# Altium PCB LPCXpresso55SXX.PcbDoc (part 1 of 4)
Units mm, origin at the board's own origin, x right, y up, seen from the top; angles counter-clockwise.
Board outline 97.07 x 97.84 mm, 4 copper layers (Top Layer, GND Plane, Power Plane, Bottom Layer), stack 1.58 mm thick; 336 components, 250 nets, 1211 pads, 766 vias.
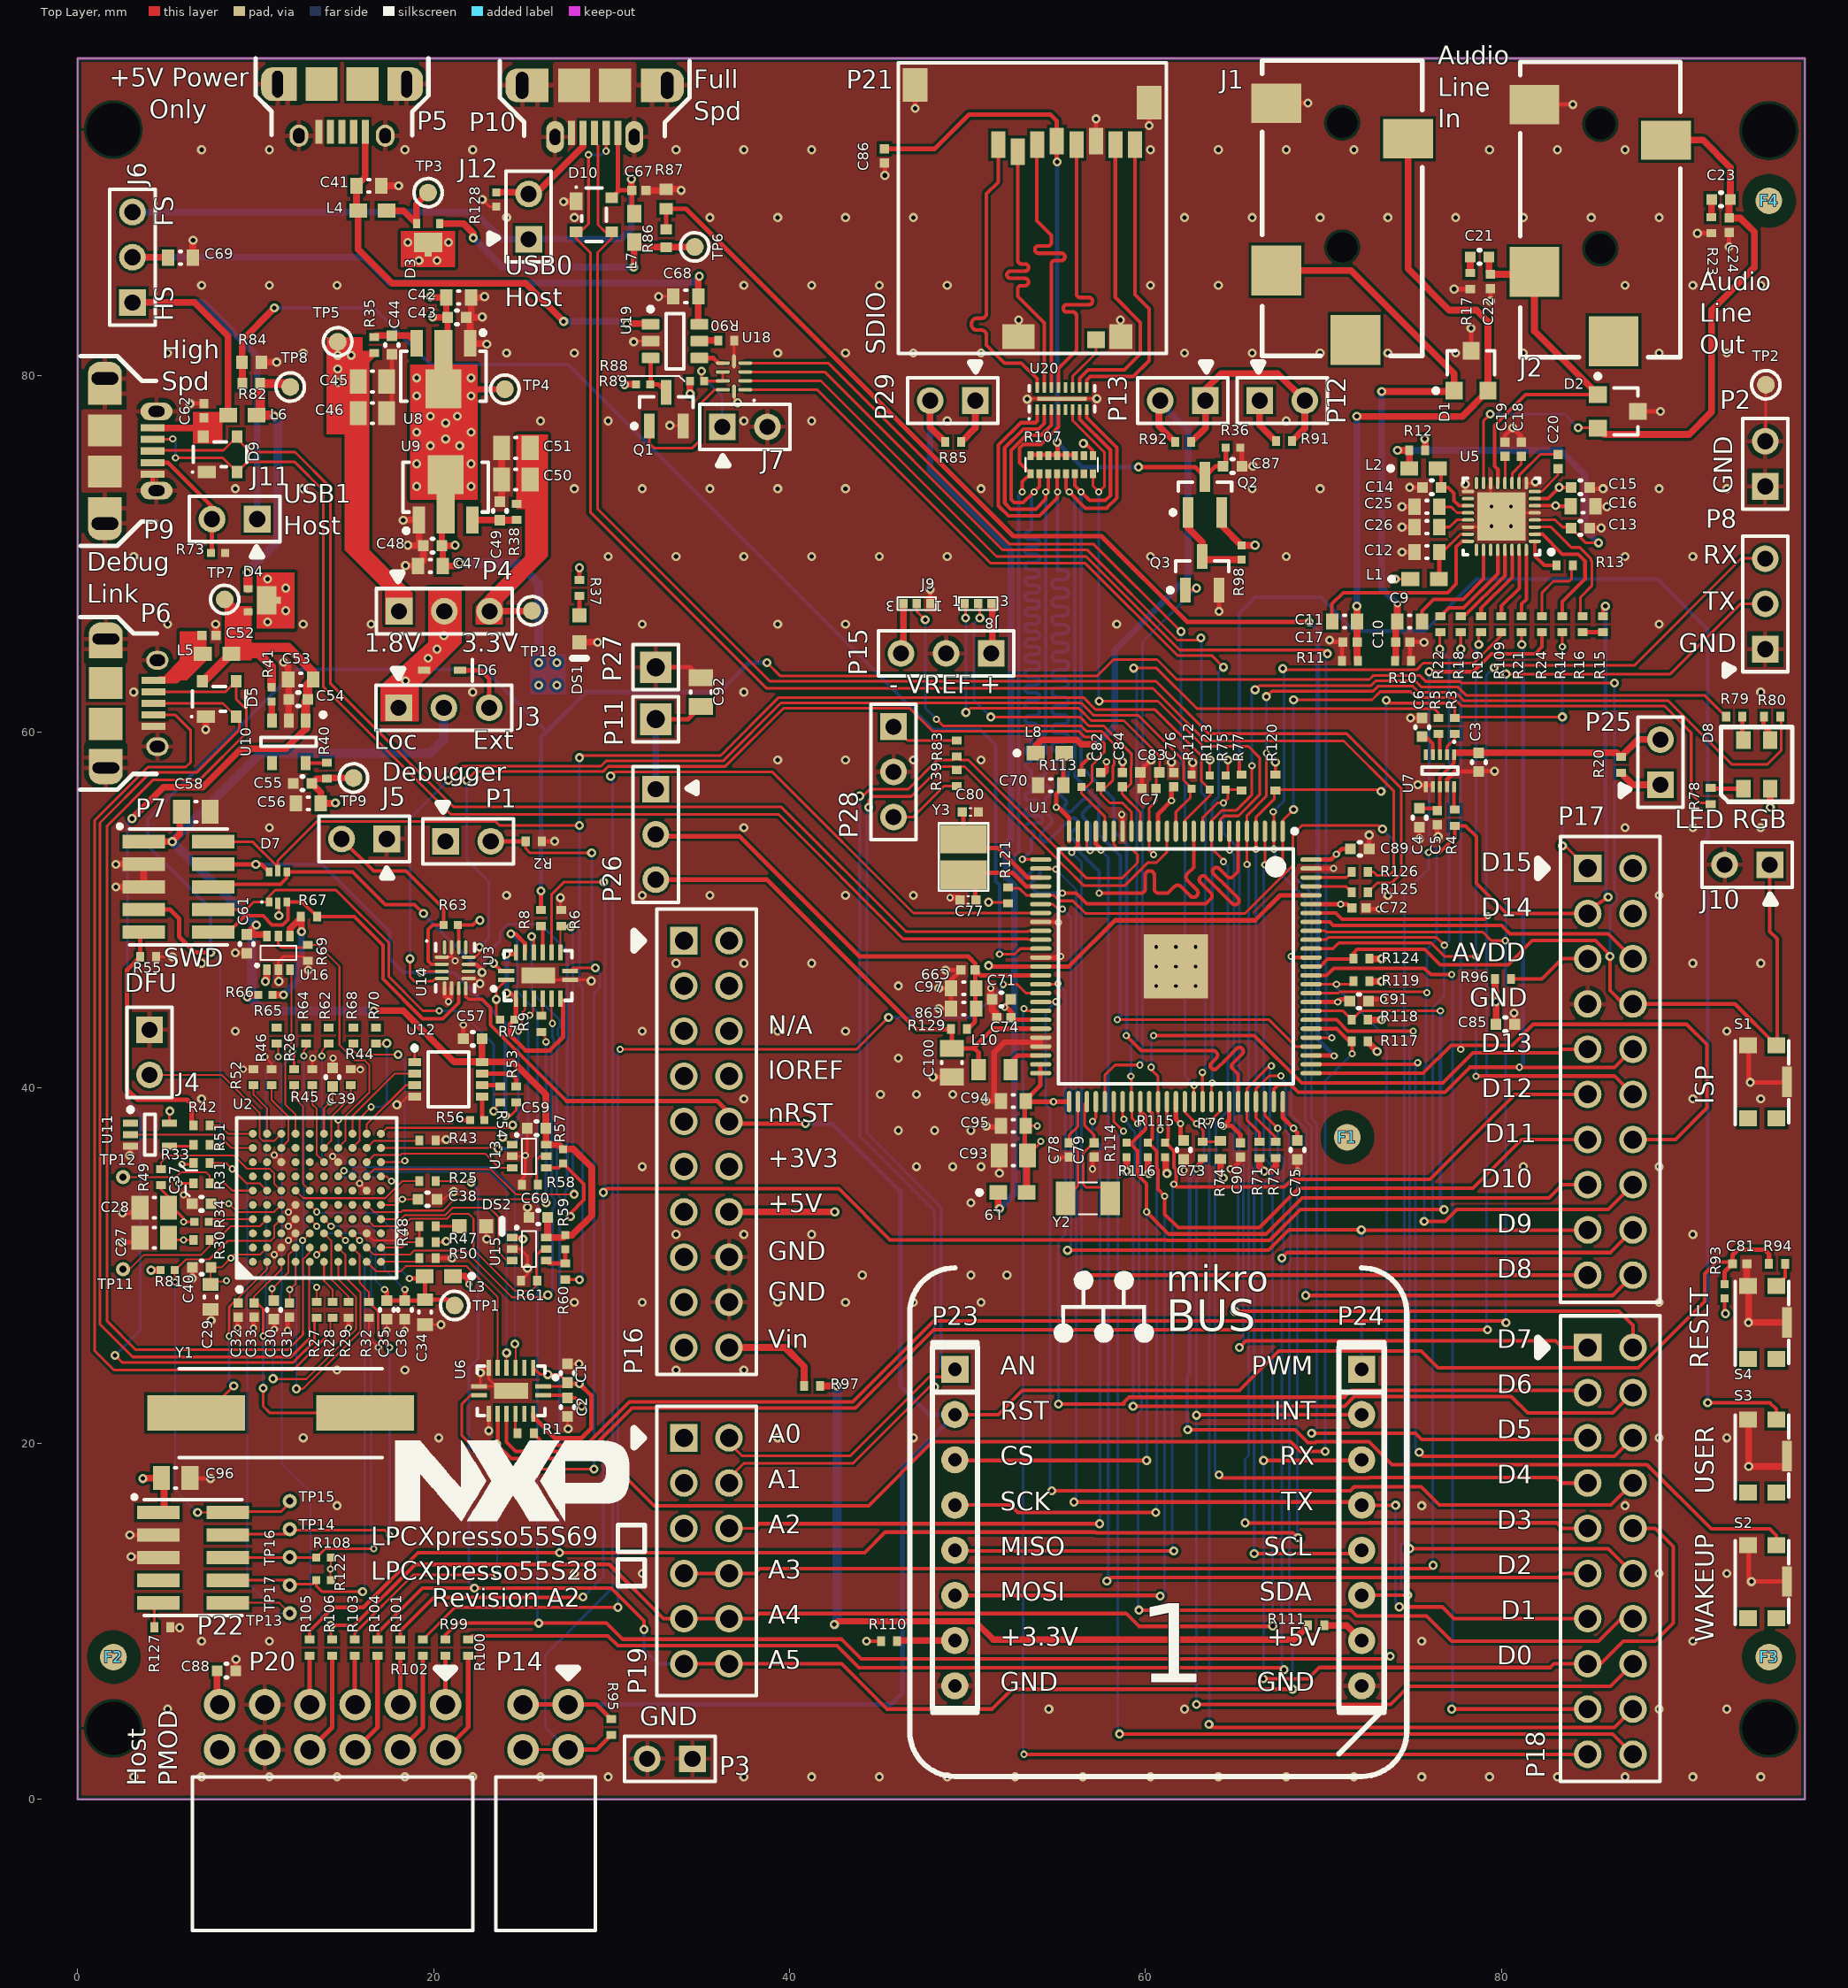
[diagram p0: Top Layer view]
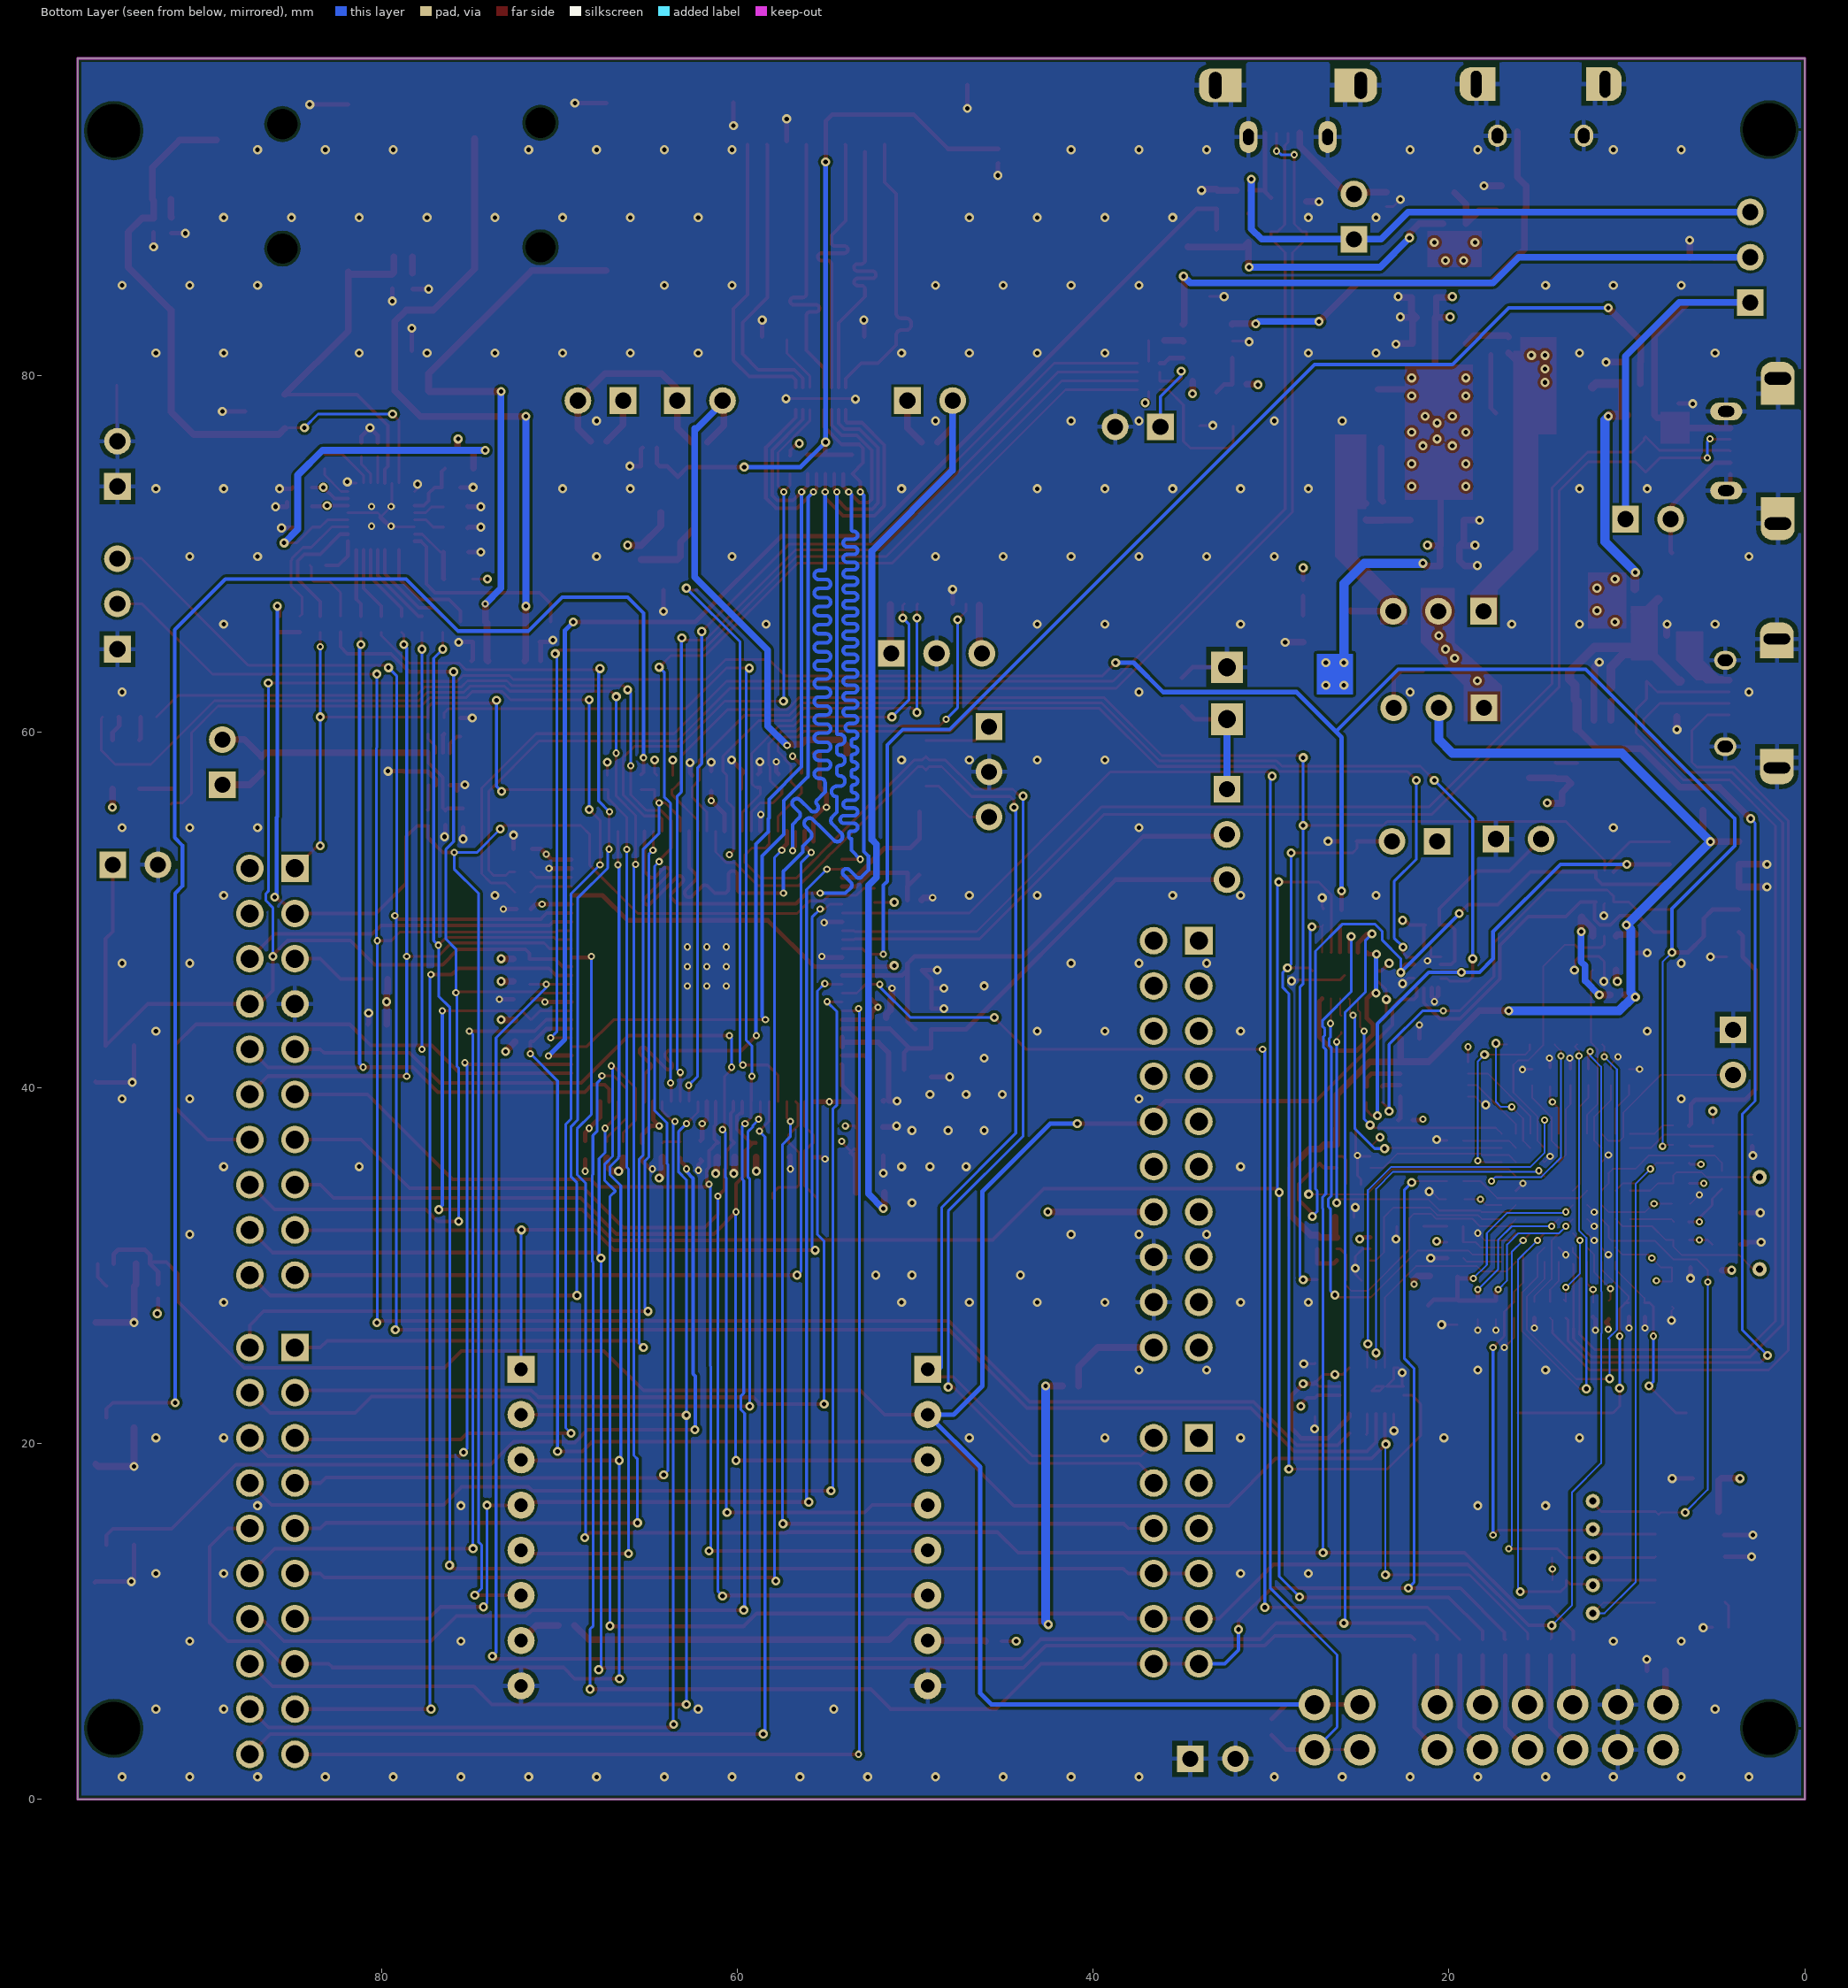
[diagram p1: Bottom Layer view, seen from below]
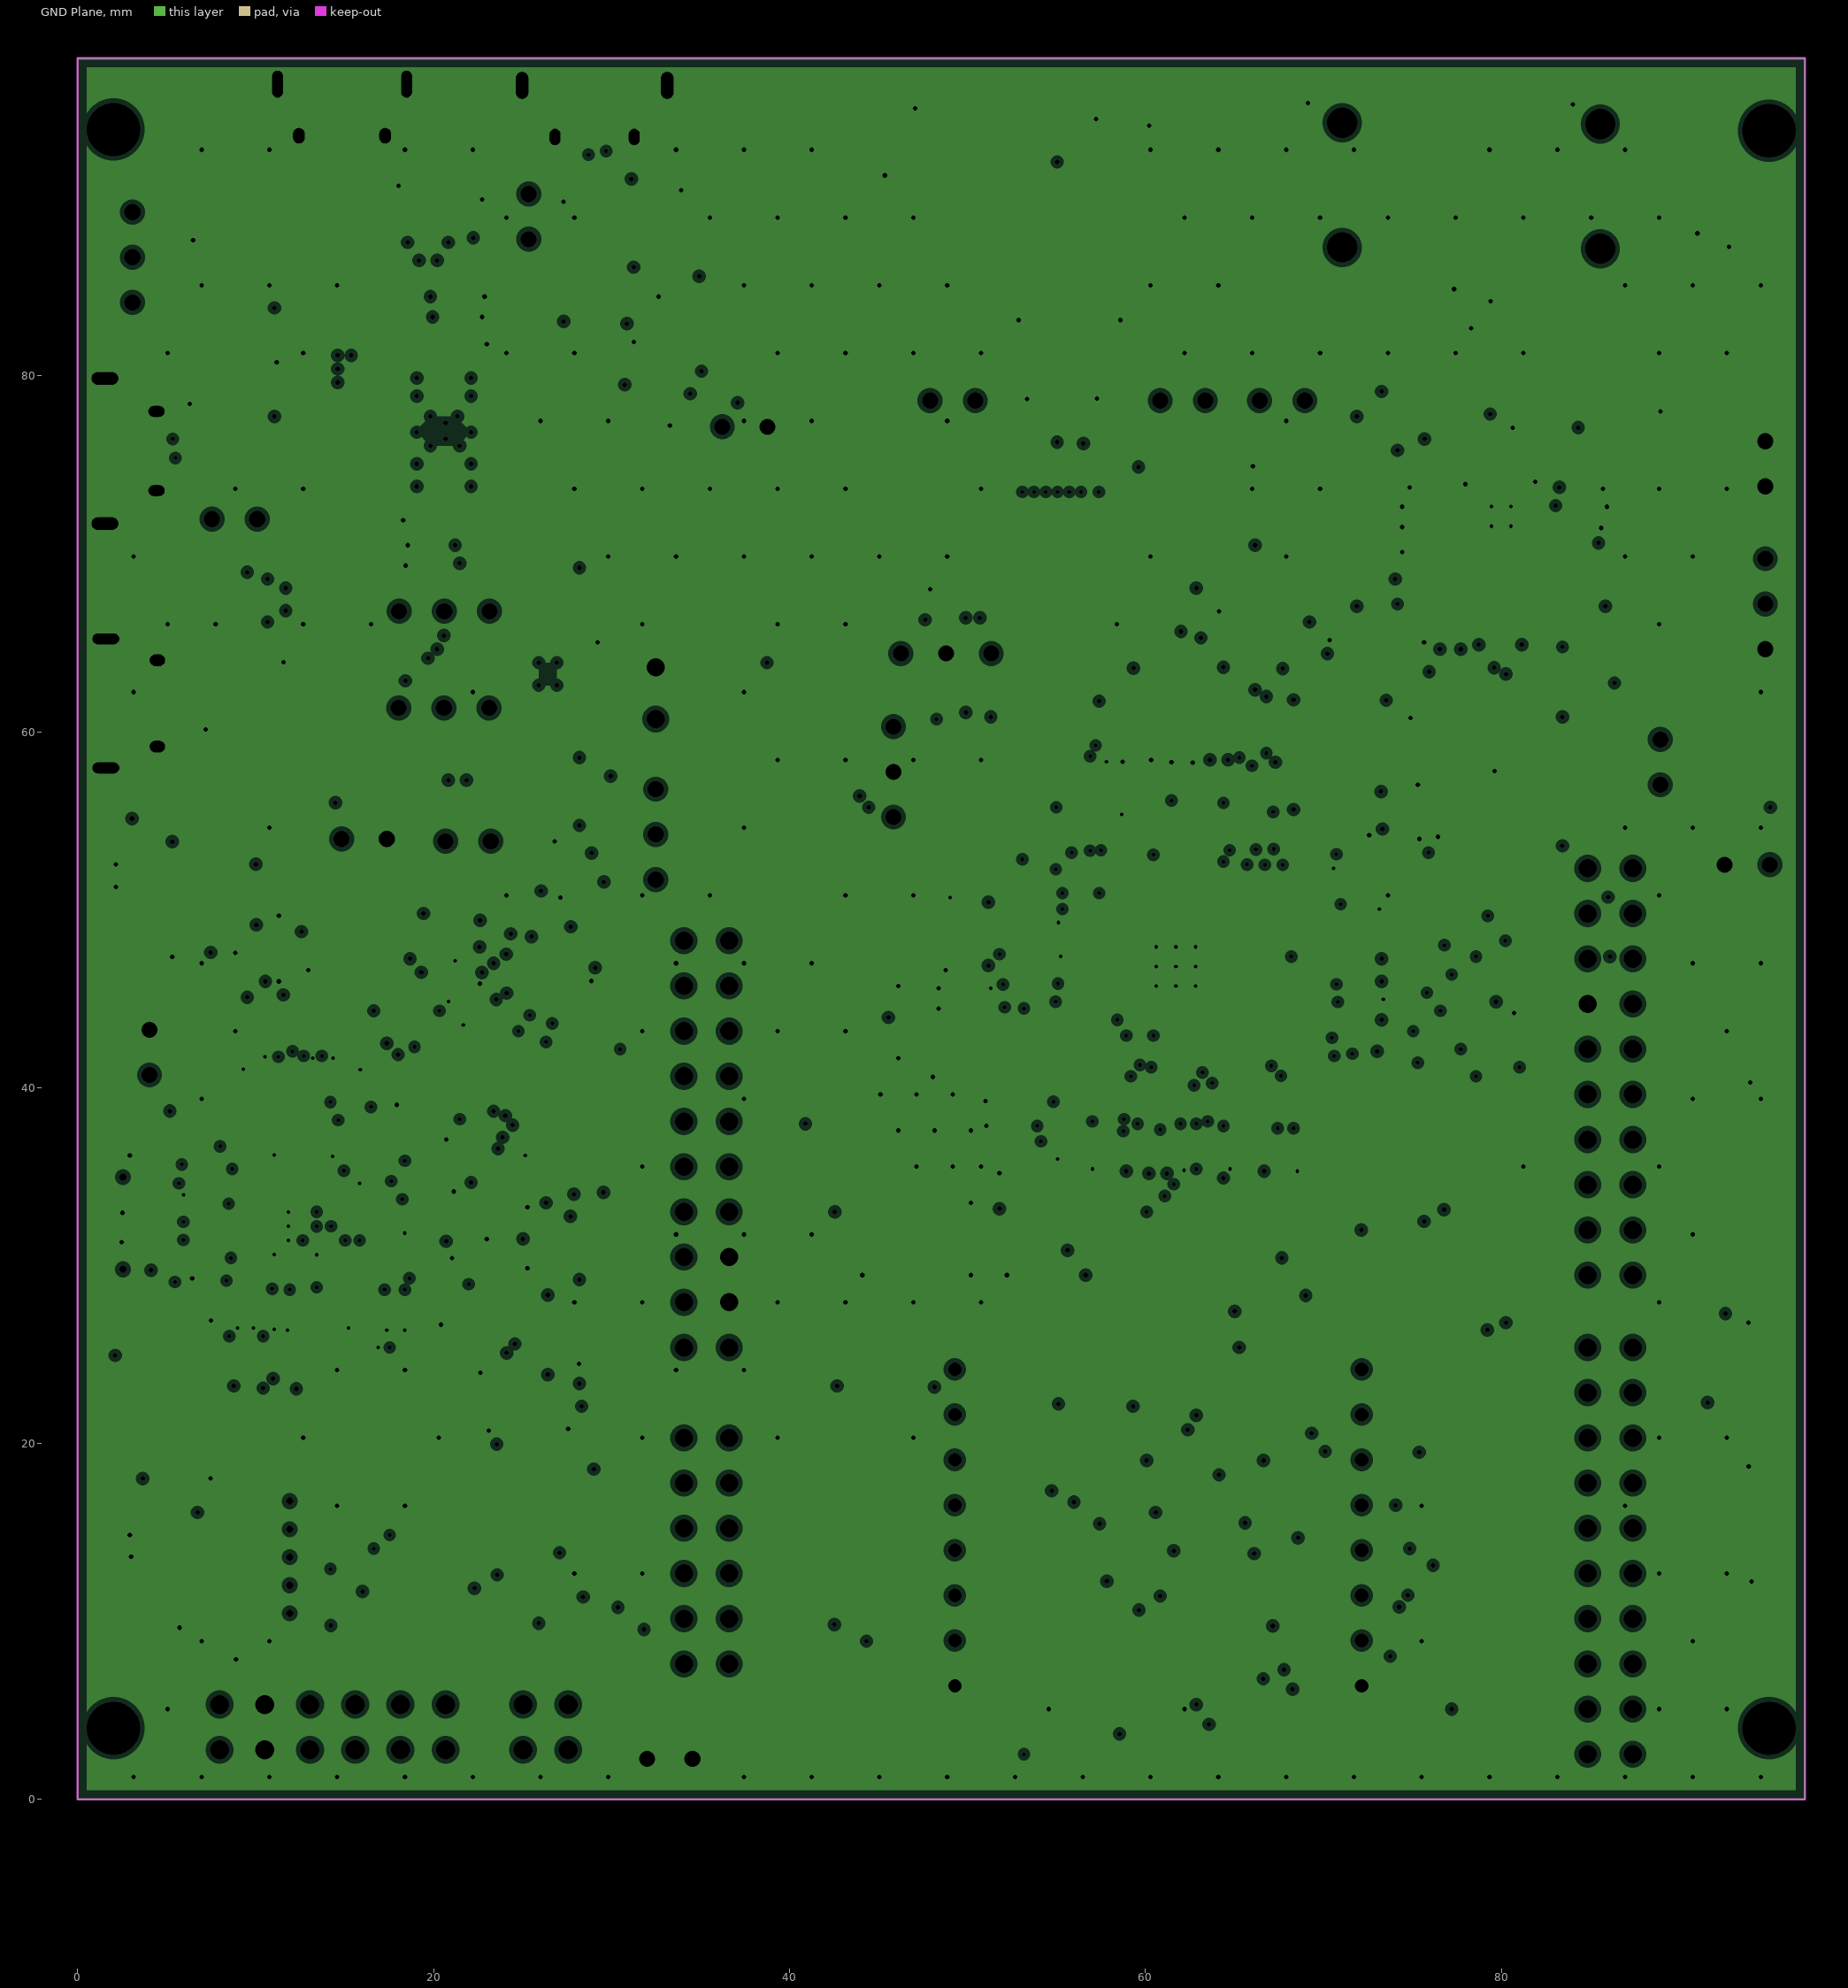
[diagram p2: GND Plane, clearances drawn from the general rule]